# Altium PCB LH_Traffic_Light(XP)_V2.2_20171103-1500pm.PcbDoc (part 1 of 3) (continued)
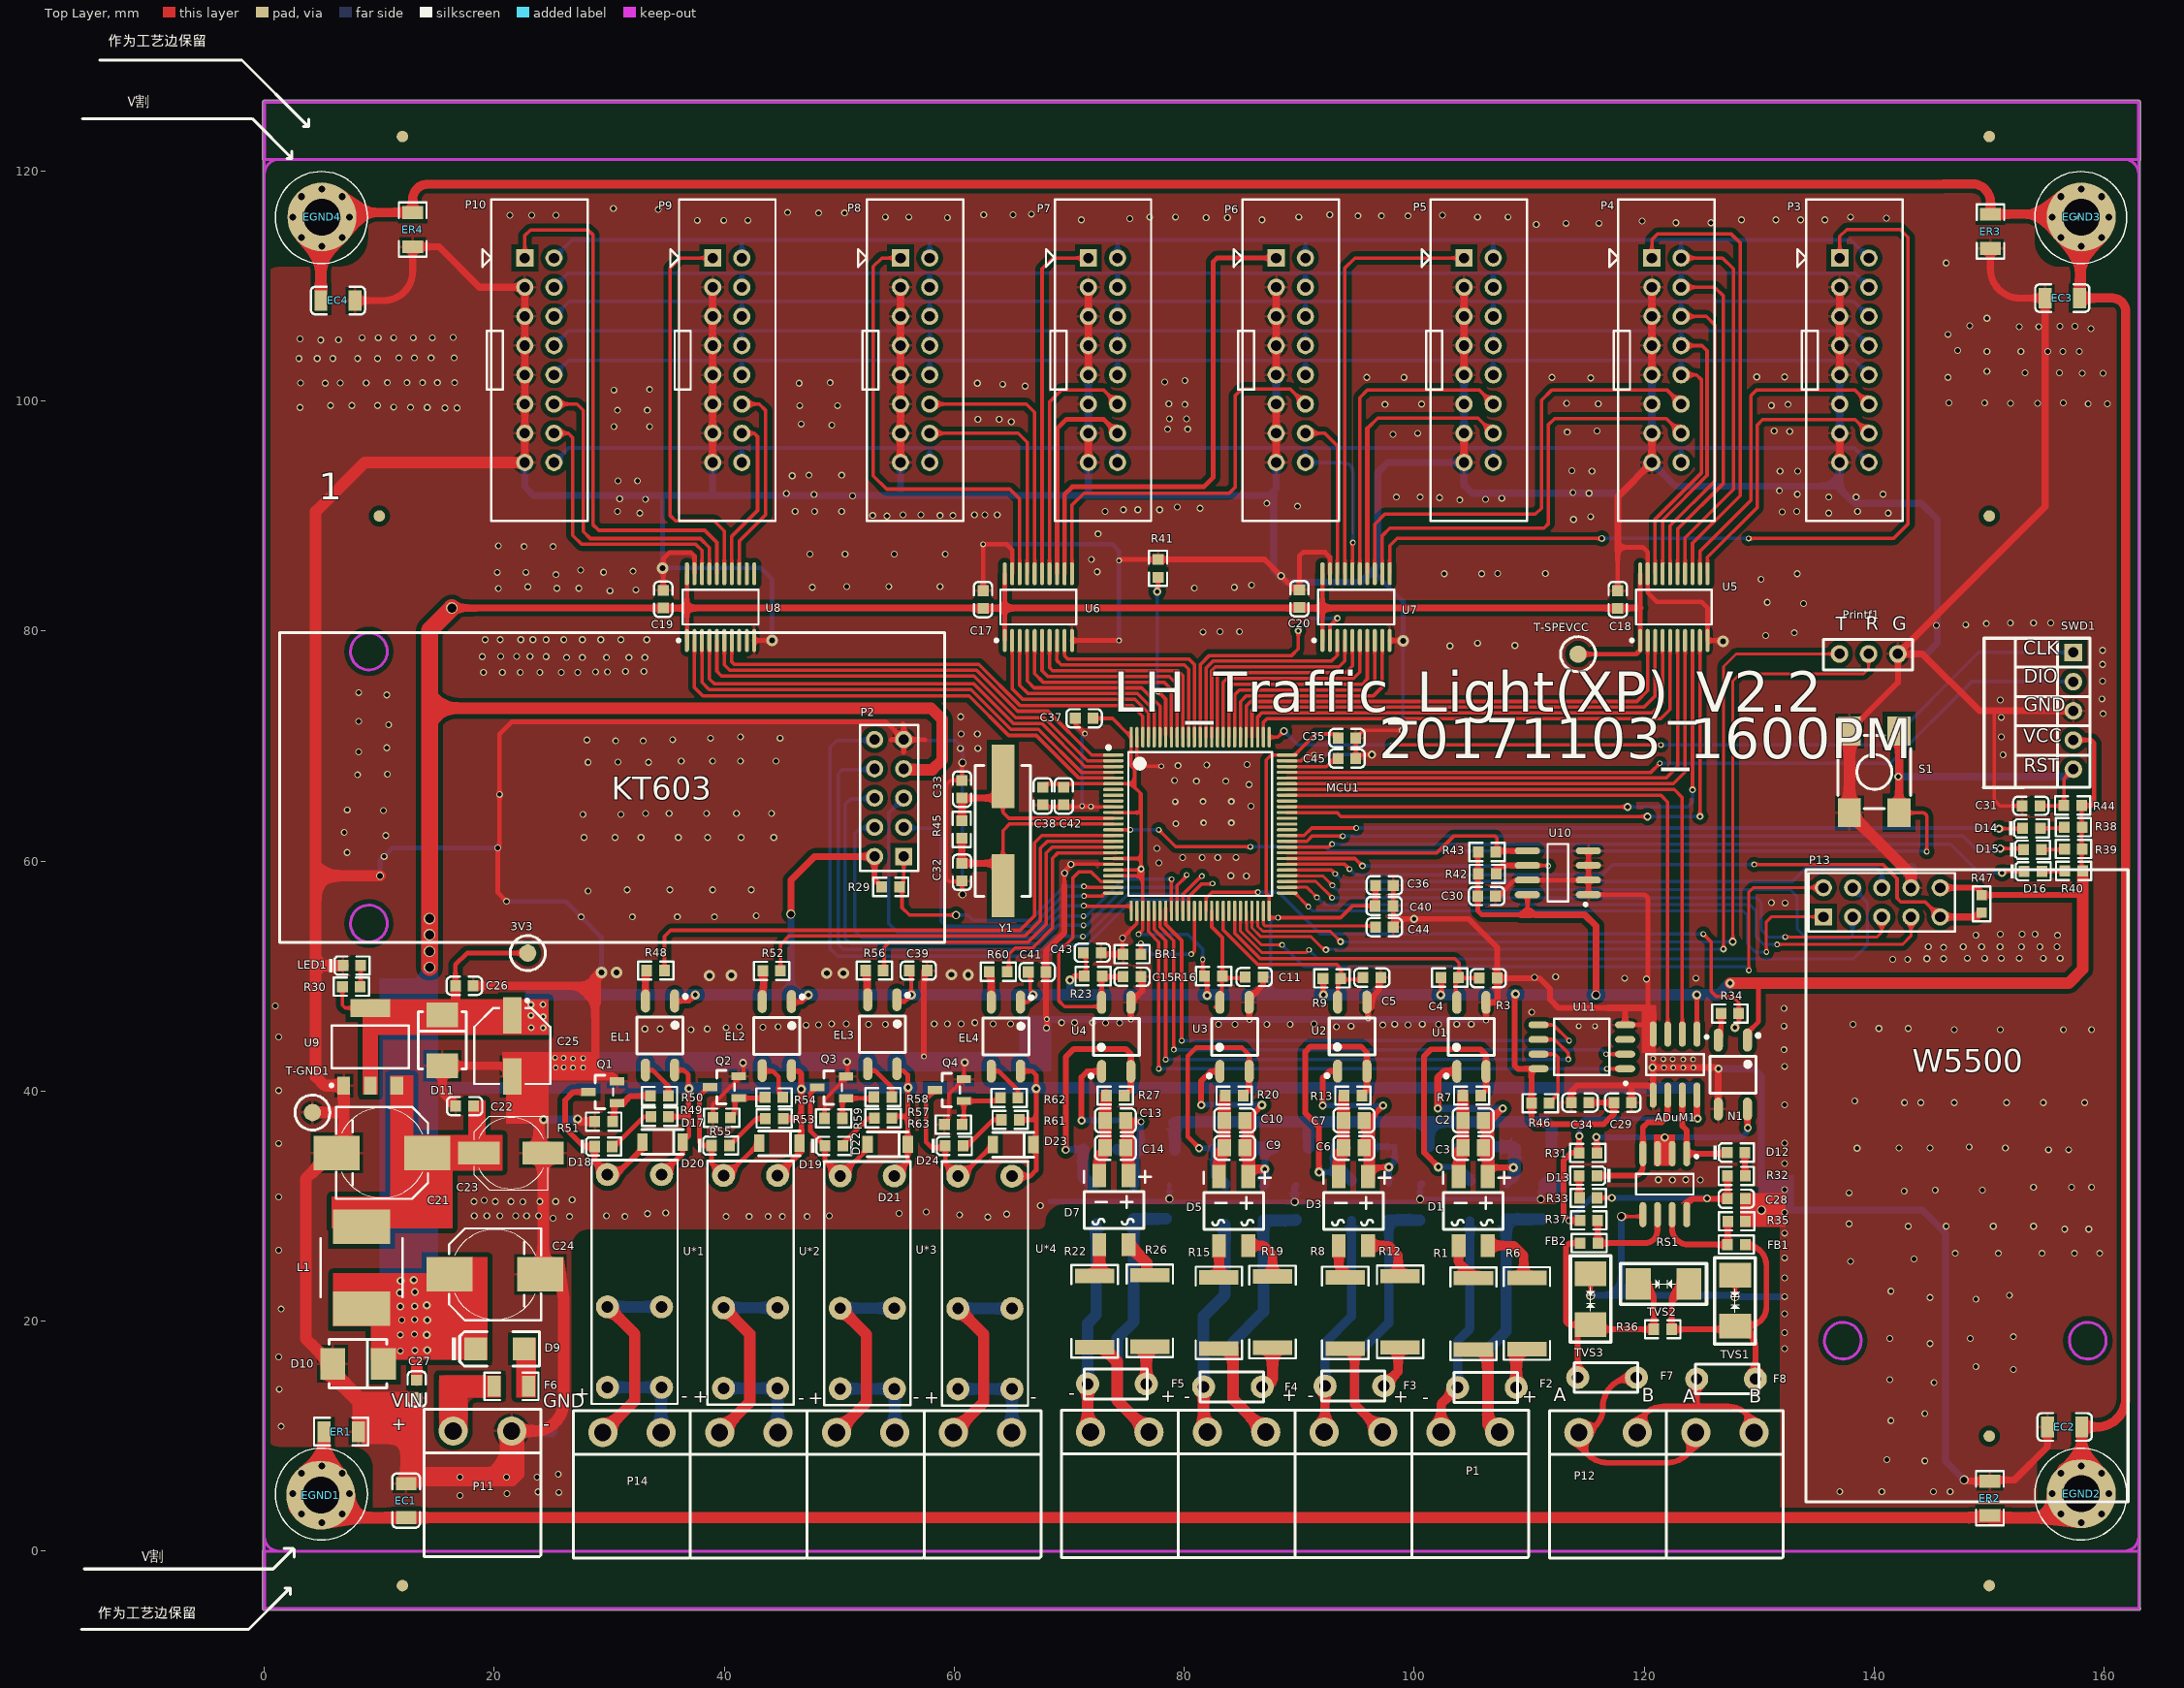
[diagram p0: Top Layer view]
## Components (designator, comment, footprint, x,y, rotation, side; value= is the part's Value field where it differs from the comment) (continued)
R3 "10K" LC-0603_R 103.07,49.87 r180 top
R4 "Res1" LC-1206_R 107.99,30.362 r270 bottom
R5 "Res1" LC-1206_R 111.114,30.337 r270 bottom
R6 "4302/1W" LC-2512_R 109.793,20.66 r90 top
R7 "1K" LC-0603_R 104.993,39.608 r180 top
R8 "4302/1W" LC-2512_R 93.995,20.71 r90 top
R9 "10K" LC-0603_R 92.826,49.793 r180 top
R10 "Res1" LC-1206_R 99.811,35.239 r180 bottom
R11 "Res1" LC-1206_R 97.627,30.275 r270 bottom
R12 "4302/1W" LC-2512_R 98.77,20.812 r90 top
R13 "1K" LC-0603_R 94.663,39.608 r180 top
R14 "Res1" LC-1206_R 100.573,30.337 r270 bottom
R15 "4302/1W" LC-2512_R 83.006,20.71 r90 top
R16 "10K" LC-0603_R 82.539,49.997 r180 top
R17 "Res1" LC-1206_R 89.321,35.061 r180 bottom
R18 "Res1" LC-1206_R 86.566,30.21 r270 bottom
R19 "4302/1W" LC-2512_R 87.67,20.787 r90 top
R20 "1K" LC-0603_R 84.334,39.608 r180 top
R21 "Res1" LC-1206_R 89.753,30.21 r270 bottom
R22 "4302/1W" LC-2512_R 72.201,20.837 r90 top
R23 "10K" LC-0603_R 72.074,49.997 r180 top
R24 "Res1" LC-1206_R 77.78,34.884 r180 bottom
R25 "Res1" LC-1206_R 75.605,30.388 r270 bottom
R26 "4302/1W" LC-2512_R 77.002,20.888 r90 top
R27 "1K" LC-0603_R 74.005,39.608 r180 top
R28 "Res1" LC-1206_R 78.704,30.388 r270 bottom
R29 "10K" LC-0603_R 54.463,57.758 r0 top
R30 "1K" LC-0603_R 7.558,49.082 r180 top
R31 "1K" LC-0603_R 115.102,34.63 r0 top
R32 "1K" LC-0603_R 128.005,32.623 r180 top
R33 "1K" LC-0603_R 115.127,30.718 r180 top
R34 "200R" LC-0603_R 127.446,46.745 r180 top
R35 "1K" LC-0603_R 128.031,28.686 r180 top
R36 "120R" LC-0603_R 121.604,19.288 r0 top
R37 "1K" LC-0603_R 115.178,28.762 r180 top
R38 "1K" LC-0603_R 157.307,62.953 r180 top
R39 "1K" LC-0603_R 157.316,61.048 r180 top
R40 "1K" LC-0603_R 157.341,59.143 r180 top
R41 "10K" LC-0603_R 77.713,85.455 r270 top
R42 "10K" LC-0603_R 106.343,58.884 r0 top
R43 "10K" LC-0603_R 106.318,60.789 r0 top
R44 "10K" LC-0603_R 157.259,64.833 r0 top
R45 "1M" LC-0603_R 60.644,62.747 r270 top
R46 "2K" LC-0603_R 110.962,38.948 r0 top
R47 "1K" R0603 149.334,57.043 r270 top
R48 "1K" LC-0603_R 34.025,50.479 r0 top
R49 "1K" LC-0603_R 34.381,37.779 r180 top
R50 "2K" LC-0603_R 34.355,39.583 r0 top
R51 "10K" LC-0603_R 29.504,37.347 r180 top
R52 "1K" LC-0603_R 44.109,50.454 r0 top
R53 "1K" LC-0603_R 44.338,37.614 r180 top
R54 "2K" LC-0603_R 44.312,39.456 r0 top
R55 "10K" LC-0603_R 39.776,37.678 r180 top
R56 "1K" LC-0603_R 53.05,50.479 r0 top
R57 "1K" LC-0603_R 53.812,37.652 r180 top
R58 "2K" LC-0603_R 53.786,39.481 r0 top
R59 "10K" LC-0603_R 49.494,37.627 r180 top
R60 "1K" LC-0603_R 63.819,50.378 r0 top
R61 "1K" LC-0603_R 64.861,37.5 r180 top
R62 "2K" LC-0603_R 64.759,39.405 r0 top
R63 "10K" LC-0603_R 59.908,37.093 r180 top
RS1 "MAX3085E" SOIC-8 121.782,31.912 r270 top
S1 "SW-PB4" SW_PB4_A1 140,67.75 r270 top
SWD1 "Header 5" F2.54-5P 157.284,78.117 r270 top
T-GND1 "CHECK" CHECK-B 4.18,38.137 r0 top
T-SPEVCC "CHECK" CHECK-B 114.238,77.987 r0 top (schematic designator T-SPEVCC1)
TVS1 "P6KE6.8CA" TVS 127.904,19.542 r90 top
TVS2 "P6KE6.8CA" TVS 119.445,23.225 r0 top
TVS3 "P6KE6.8CA" TVS 115.331,24.139 r270 top
U1 "EL357N(B)(TA)-G" LC-SOP-4_P2.54 104.967,44.713 r90 top
U2 "EL357N(B)(TA)-G" LC-SOP-4_P2.54 94.604,44.739 r90 top
U3 "EL357N(B)(TA)-G" LC-SOP-4_P2.54 84.368,44.713 r90 top
U4 "EL357N(B)(TA)-G" LC-SOP-4_P2.54 74.081,44.713 r90 top
U5 "74HC245" TSSOP-20 122.57,82.083 r90 top
U6 "74HC245" TSSOP-20 67.306,82.083 r90 top
U7 "74HC245" TSSOP-20 94.938,82.083 r90 top
U8 "74HC245" TSSOP-20 39.675,82.083 r90 top
U9 "ASM1117" SOT223 9.209,43.85 r0 top locked
U10 "AT24C256CSSHLT" SOIC-8 112.49,58.986 r180 top
U11 "GT21L16S2W" SOIC-8W 114.569,43.85 r180 top
U*1 "G5NB-1A-5V" G5NB-1A-5V 34.537,32.742 r180 top locked
U*2 "G5NB-1A-5V" G5NB-1A-5V 44.628,32.666 r180 top locked
U*3 "G5NB-1A-5V" G5NB-1A-5V 54.777,32.623 r180 top locked
U*4 "G5NB-1A-5V" G5NB-1A-5V 65.013,32.598 r180 top locked
Y1 "25MHz" LC-HC-49SMD 64.226,62.62 r270 top

## Footprints (in the part's own frame and the unit in brackets; to place one, negate y for a bottom-side part, rotate by r counter-clockwise, add the part's x,y. Pads: shape width x height; smd on the part's side, far side on the other; paste and mask are expansions set on the pad)
5.08-4P [mm]
  round 2.54 hole 1.5: 1(0,0) 2(5.08,0) 3(10.16,0) 4(15.24,0)
  silkscreen extent -2.54,-10.92 17.78,1.91
5.08-8p [mm]
  round 2.54 hole 1.5: 1(0,0) 2(5.08,0) 3(10.16,0) 4(15.24,0) 5(20.32,0) 6(25.4,0) 7(30.48,0) 8(35.56,0)
  silkscreen extent -2.54,-10.92 38.1,1.91
C-RB-SD6 [mm] "贴片"
  rect 3.6x2 smd: 1(-2.794,0) 2(2.794,0)
  silkscreen extent -3.2,-3.2 3.2,3.2
C-RB-SD8 [mm] "贴片"
  rect 4x3 smd: 1(-3.937,0) 2(3.937,0)
  silkscreen extent -4,-4 4,4, body extent -3.95,-3.99 4.02,3.99, height 8
CHECK-B [mm]
  round 1.5 smd: 1(0,0)
  silkscreen extent -1.52,-1.52 1.52,1.52
D5.08-2P [mm]
  round 2.54 hole 1.5: 1(0,0) 2(5.08,0)
  silkscreen extent -2.54,-10.92 7.62,1.91
DC3-16P-2.54mm [mm] "简易牛角座直"
  rect 1.5x1.5 hole 0.9: 1(8.89,1.27)
  round 1.5 hole 0.9: 2(8.89,-1.27) 3(6.35,1.27) 4(6.35,-1.27) 5(3.81,1.27) 6(3.81,-1.27) 7(1.27,1.27) 8(1.27,-1.27) 9(-1.27,1.27) 10(-1.27,-1.27) 11(-3.81,1.27) 12(-3.81,-1.27) 13(-6.35,1.27) 14(-6.35,-1.27) 15(-8.89,1.27) 16(-8.89,-1.27)
  silkscreen extent -13.97,-4.19 13.97,4.95
F2.54-3P [mil]
  oval 60x60.63 hole 35: 1(0,0) 2(100,0) 3(200,0)
  silkscreen extent -50,-50 255,55
F2.54-5P [mil]
  rect 60x60.63 hole 35: 1(-1,1)
  oval 60x60.63 hole 35: 2(99,1) 3(199,1) 4(299,1) 5(399,1)
  silkscreen extent -51,-53 460,58
G5NB-1A-5V [mm]
  round 2 hole 1: 1(0,0) 2(0,11.5) 2(4.7,11.5) 3(0,18.5) 3(4.7,18.5) 4(4.7,0)
  silkscreen extent -1.4,-1.27 6.1,19.94, body extent -1.4,-1.27 6.1,19.94, height 12
H-6-3.2m#1 [mm]
  round 6 hole 3.2: 0(-0.102,-0.127)
  silkscreen extent -4.04,-4.04 3.96,3.96
H-6-3.2m#2 [mm]
  round 6 hole 3.2: 0(0,0)
  silkscreen extent -4.04,-4.04 3.96,3.96
HDR5X2-2.54 [mm] "2.54双排针排座"
  rect 1.5x1.5 hole 0.9: 1(0,0)
  round 1.5 hole 0.9: 2(0,2.54) 3(2.54,0) 4(2.54,2.54) 5(5.08,0) 6(5.08,2.54) 7(7.62,0) 8(7.62,2.54) 9(10.16,0) 10(10.16,2.54)
  silkscreen extent -1.27,-1.27 11.43,3.81
HONOR_63X54 [mm]
  rect 3.15x1.6 smd: 1(-2.65,0) 2(2.65,0)
  silkscreen extent -4.07,-3.3 3.3,3.3
L-SMD-7 [mm] "贴"
  rect 3x5 smd: 1(-3.556,0) 2(3.556,0)
  silkscreen extent -2.54,-3.56 2.54,3.56, body extent -3.56,-3.56 3.56,3.56, height 4
LC-0603_C [mm]
  rect 0.93x0.98 smd: 1(-0.77,0) 2(0.77,0)
  silkscreen extent -1.53,-0.79 1.54,0.79, body extent -0.8,-0.4 0.8,0.4, height 0.3
LC-0603_L [mm]
  rect 0.93x0.98 smd: 1(-0.77,0) 2(0.77,0)
  silkscreen extent -1.54,-0.79 1.54,0.79, body extent -0.82,-0.41 0.83,0.41, height 0.46
LC-0603_LED_S1 [mm]
  rect 0.93x0.98 smd: A(0.77,0) K(-0.77,0)
  silkscreen extent -1.98,-0.79 1.54,0.79, body extent -0.8,-0.4 0.8,0.4, height 0.6
LC-0603_R [mm]
  rect 0.93x0.98 smd: 1(-0.77,0) 2(0.77,0)
  silkscreen extent -1.53,-0.79 1.54,0.79, body extent -0.85,-0.4 0.85,0.4, height 0.56
LC-0805_C [mm]
  rect 1.16x1.47 smd: 1(-0.89,0) 2(0.89,0)
  silkscreen extent -1.77,-1.04 1.77,1.04, body extent -1,-0.62 1,0.63, height 0.77
LC-1206_C [mm]
  rect 1.13x1.8 smd: 1(-1.49,0) 2(1.49,0)
  silkscreen extent -2.36,-1.2 2.35,1.2, body extent -1.6,-0.81 1.6,0.79, height 1
LC-1206_R [mm]
  rect 1.13x1.8 smd: 1(-1.49,0) 2(1.49,0)
  silkscreen extent -2.35,-1.2 2.35,1.2, body extent -1.7,-0.86 1.65,0.87, height 0.85
LC-2512_R [mm]
  rect 1.25x3.42 smd: 1(-3.1,0) 2(3.1,0)
  silkscreen extent -4.02,-2.01 4.02,2.01, body extent -3.16,-1.6 3.16,1.6, height 0.62
LC-HC-49SMD [mm]
  rect 5.5x2 smd: 1(-4.75,0) 2(4.75,0)
  silkscreen extent -5.7,-2.4 5.7,2.4, body extent -6.7,-2.46 6.7,2.44, height 4
LC-LL-34 [mm]
  rect 0.9x1.5 smd: 1(1.75,0) 2(-1.75,0)
  silkscreen extent -1.8,-1.07 1.8,1.07
LC-MBS [mm]
  rect 2x1.2 smd: 1(3,-1.27) 2(-3,1.27) 3(3,1.27) 4(-3,-1.27)
  silkscreen extent -3.4,-2.6 1.6,3.2
LC-QFP-100_14x14x05P [mm]
  oval 0.28x1.8 smd mask+0.051: 1(-6,-7.55) 2(-5.5,-7.55) 3(-5,-7.55) 4(-4.5,-7.55) 5(-4,-7.55) 6(-3.5,-7.55) 7(-3,-7.55) 8(-2.5,-7.55) 9(-2,-7.55) 10(-1.5,-7.55) 11(-1,-7.55) 12(-0.5,-7.55) 13(0,-7.55) 14(0.5,-7.55) 15(1,-7.55) 16(1.5,-7.55) 17(2,-7.55) 18(2.5,-7.55) 19(3,-7.55) 20(3.5,-7.55) 21(4,-7.55) 22(4.5,-7.55) 23(5,-7.55) 24(5.5,-7.55) 25(6,-7.55) 51(6,7.55) 52(5.5,7.55) 53(5,7.55) 54(4.5,7.55) 55(4,7.55) 56(3.5,7.55) 57(3,7.55) 58(2.5,7.55) 59(2,7.55) 60(1.5,7.55) 61(1,7.55) 62(0.5,7.55) 63(0,7.55) 64(-0.5,7.55) 65(-1,7.55) 66(-1.5,7.55) 67(-2,7.55) 68(-2.5,7.55) 69(-3,7.55) 70(-3.5,7.55) 71(-4,7.55) 72(-4.5,7.55) 73(-5,7.55) 74(-5.5,7.55) 75(-6,7.55)
  oval 1.8x0.28 smd mask+0.051: 26(7.55,-6) 27(7.55,-5.5) 28(7.55,-5) 29(7.55,-4.5) 30(7.55,-4) 31(7.55,-3.5) 32(7.55,-3) 33(7.55,-2.5) 34(7.55,-2) 35(7.55,-1.5) 36(7.55,-1) 37(7.55,-0.5) 38(7.55,0) 39(7.55,0.5) 40(7.55,1) 41(7.55,1.5) 42(7.55,2) 43(7.55,2.5) 44(7.55,3) 45(7.55,3.5) 46(7.55,4) 47(7.55,4.5) 48(7.55,5) 49(7.55,5.5) 50(7.55,6) 76(-7.55,6) 77(-7.55,5.5) 78(-7.55,5) 79(-7.55,4.5) 80(-7.55,4) 81(-7.55,3.5) 82(-7.55,3) 83(-7.55,2.5) 84(-7.55,2) 85(-7.55,1.5) 86(-7.55,1) 87(-7.55,0.5) 88(-7.55,0) 89(-7.55,-0.5) 90(-7.55,-1) 91(-7.55,-1.5) 92(-7.55,-2) 93(-7.55,-2.5) 94(-7.55,-3) 95(-7.55,-3.5) 96(-7.55,-4) 97(-7.55,-4.5) 98(-7.55,-5) 99(-7.55,-5.5) 100(-7.55,-6)
  silkscreen extent -6.8,-8.12 6.25,6.25
LC-SMA(DO-214AC)_S5 [mm]
  rect 2x2 smd: 1(2.1,0) 2(-2.1,0)
  silkscreen extent -4.2,-1.5 3.43,1.5
LC-SMB(DO-214AA)_S1 [mm]
  rect 2.159x2.743 smd: 1(2.21,0) 2(-2.21,0)
  silkscreen extent -2.5,-2.1 2.5,2.1
lc-sop-4_P2.54 [mm]
  oval 2x0.8 smd: 1(-3,1.27) 2(-3,-1.27) 3(3,-1.27) 4(3,1.27)
  silkscreen extent -3.55,-2 1.6,2.35
LC-SOP-4_P2.54 [mm]
  oval 2x0.8 smd: 1(-3,1.27) 2(-3,-1.27) 3(3,-1.27) 4(3,1.27)
  silkscreen extent -3.55,-2 1.6,2.35
LC-SOT-23(SOT-23-3) [mm]
  rect 1.25x0.7 smd: 1(1.25,-0.95) 2(1.25,0.95) 3(-1.25,0)
  silkscreen extent -0.65,-1.46 0.9,1.46, body extent -1.5,-1.5 1.5,1.5, height 1.3
ntc250v [mm]
  round 2 hole 1: 1(0,0) 2(5.1,0)
  silkscreen extent -0.3,-1.3 5.2,1.3
R0603 [mil]
  rect 36x36 smd: 1(0,0) 2(60,0)
  silkscreen extent -30,-30 90,30
SOIC-8 [mm]
  oval 2.2x0.6 smd: 1(-2.654,1.905) 2(-2.654,0.635) 3(-2.654,-0.635) 4(-2.654,-1.905) 5(2.654,-1.905) 6(2.654,-0.635) 7(2.654,0.635) 8(2.654,1.905)
  silkscreen extent -2.52,-2.5 0.9,2.88, body extent -3,-2.45 3,2.45, height 1.7
SOIC-8W [mm] "SPI_F"
  oval 1.75x0.6 smd: 1(-3.768,1.905) 2(-3.768,0.635) 3(-3.768,-0.635) 4(-3.768,-1.905) 5(3.768,-1.905) 6(3.768,-0.635) 7(3.768,0.635) 8(3.768,1.905)
  silkscreen extent -3.93,-2.45 2.41,3.3
SOT223 [mm]
  rect 1.1x1.55 smd: 1(-2.3,-3.375) 2(0,-3.375) 3(2.3,-3.375)
  rect 3.45x1.55 smd: 4(0,3.375)
  silkscreen extent -3.5,-3.48 3.35,1.85, body extent -3.25,-3.48 3.25,3.48, height 1.7
SW_PB4_A1 [mm]
  rect 2.5x2 smd: 1(-3.556,2.159) 2(-3.556,-2.159) 3(3.556,-2.159) 4(3.556,2.159)
  silkscreen extent -3.17,-3.18 3.17,3.18, body extent -3.18,-3.18 3.18,3.18, height 6
TSSOP-20 [mm]
  oval 2x0.35 smd: 1(-2.9,2.925) 2(-2.9,2.275) 3(-2.9,1.625) 4(-2.9,0.975) 5(-2.9,0.325) 6(-2.9,-0.325) 7(-2.9,-0.975) 8(-2.9,-1.625) 9(-2.9,-2.275) 10(-2.9,-2.925) 11(2.9,-2.925) 12(2.9,-2.275) 13(2.9,-1.625) 14(2.9,-0.975) 15(2.9,-0.325) 16(2.9,0.325) 17(2.9,0.975) 18(2.9,1.625) 19(2.9,2.275) 20(2.9,2.925)
  silkscreen extent -3.02,-3.3 1.5,3.77
TVS [mil]
  rect 85x107.99 smd: 1(0.98,0) 2(175,0)
  silkscreen extent -60,-69 235,70

## Part data
3V3 T-GND1 T-SPEVCC: library part CHE, "测试点"
BR1 FB1 FB2 R1 R3 R6 R7 R8 R9 R12 R13 R15 R16 R19 R20 R22 R23 R26 R27 R29 R38 R39 R40 R41 R42 R43 R45 R47 R48 R49 R50 R51 R52 R53 R54 R55 R56 R57 R58 R59 R60 R61 R62 R63: library part Res2, "Resistor"
C1 C2 C3 C4 C5 C6 C7 C8 C9 C10 C11 C12 C13 C14 C15 C16 C17 C18 C19 C20 C22 C26 C27 EC1 EC2 EC3 EC4: library part Cap, "Capacitor"
C21 C23: library part "Cap Pol1", "Polarized Capacitor (Radial)"
C24 C25: library part "Cap Pol3", "Polarized Capacitor (Surface Mount)"
C28 C29: library part CAP
C30 C31 C32 C33 C35 C36 C37 C38 C39 C40 C41 C42 C43 C44 C45: library part CAP, "Capacitor"
C34: library part C
D1 D3 D5 D7: library part "MBS MB1", "整流桥"
D2 D4 D6 D8 D9: library part Diode, "Default Diode"
D10 D11: library part ZENER3, "Zener Diode"
D12 D13: library part "0603 绿灯", "发光二极管"
D14 D15 D16: library part "0603 蓝灯", "发光二极管"
D17 D19 D21 D23: library part DIODE, "Diode"
D18 D20 D22 D24 LED1: library part 0, "发光二极管"
EL1 EL2 EL3 EL4 N1: library part ST188, "反射式光电传感器"
ER1 ER2 ER3 ER4 R30 R31 R32 R33 R34 R46: library part RES2
F1 F7 F8: library part Fus, "保险丝"
F2 F3 F4 F5: library part F, "保险丝"
F6: library part "Fuse 1", "Fuse"
L1: library part Inducto, "电感"
MCU1: library part STM32F103VET6
P1 P14: library part Header, "接插件"
P2 P12 P13: "接插件"
P3 P4 P5 P6 P7 P8 P9 P10: library part "Header 8", "接插件"
P11: library part Head, "接插件"
Printf1: library part "Header 3H", "Header, 3-Pin, Right Angle"
R2 R4 R5 R10 R11 R14 R17 R18 R21 R24 R25 R28: library part R, "贴片电阻"
R35 R36 R37: library part RES
R44: library part res1, "Resistor"
S1: "微动开关"
SWD1: "Header, 5-Pin"
TVS1 TVS2 TVS3: library part TVS, "TVS"
U1 U2 U3 U4: library part EL357N(B)(TA, "贴片光耦"
U9: library part ASM1, "3.3V稳压芯片"
U10: library part AT2, "EEROM存储器"
U11: library part GT21L16S
Y1: library part CRYSTAL, "Crystal"

## Free pads (board coordinates)
  round 1 smd: 2(10,90) 2(12,-3) 2(12,123) 2(150,-3) 2(150,10) 2(150,90) 2(150,123)
  round 1 smd far side: 2(10,90) 2(12,-3) 2(12,123) 2(150,-3) 2(150,10) 2(150,90) 2(150,123)

## Via types
v1: diameter 0.6, hole 0.4, Top Layer to Bottom Layer, 590 vias
v2: diameter 0.5, hole 0.3, Top Layer to Bottom Layer, 84 vias
v3: diameter 0.7, hole 0.4, Top Layer to Bottom Layer, 42 vias
v4: diameter 0.8, hole 0.6, Top Layer to Bottom Layer, 39 vias
v5: diameter 0.8, hole 0.4, Top Layer to Bottom Layer, 24 vias
v6: diameter 0.6, hole 0.3, Top Layer to Bottom Layer, 22 vias
v7: diameter 1, hole 0.5, Top Layer to Bottom Layer, 12 vias
v8: diameter 0.7, hole 0.5, Top Layer to Bottom Layer, 8 vias
v9: diameter 1, hole 0.8, Top Layer to Bottom Layer, 5 vias

## Nets (pads, with @x,y where several pads share a name; then routed paths per layer and width w, separated by ;. In a path a pad name is that pad's centre, name@x,y a point inside that pad or via, vN(x,y) a via of type N, cw(c..) or ccw(c..) an arc to the next point about the centre after c; other vN are vias at no path point)
3V3: 3V3.1 ADuM1.1 C25.1 C26.2 C29.2 C30.1 C34.2 C35.1 C36.1 C37.1 C38.1 C39.1 C40.1 C41.1 C42.1 C43.1 D11.2 EL1.1 EL2.1 EL3.1 EL4.1 MCU1.6 MCU1.11 MCU1.19 MCU1.21 MCU1.22 MCU1.28 MCU1.50 MCU1.75 MCU1.100 N1.1 P2.2 P13.10 R3.2 R9.2 R16.2 R23.2 R29.1 R30.2 R38.1 R39.1 R40.1 R42.1 R43.1 R44.2 R46.1 R47.1 SWD1.4 U9.2 U9.4 U10.8 U11.8 | length 383.5
  Top Layer w0.3: R30.2@6.788,49.082 6.788,47.465 7.028,47.225 U9.4@9.209,47.225 ; v5(56.25,48.368) C39.1@56.25,50.378 ; EL4.1@65.75,47.739 66.416,47.739 66.83,48.153 v5(66.83,48.372) 66.83,48.584 66.613,48.8 66.613,49.922 C41.1@66.412,50.124 ; C38.1@67.68,66.438 67.962,66.72 72.057,66.72 ; C42.1@69.727,66.72 MCU1.6@73.83,66.72 75.361,66.72 ; R23.2@71.431,50.022 C43.1@71.431,51.546 ; C37.1@72.087,72.399 73.751,72.399 75.021,71.13 ; MCU1.22@73.83,58.72 75.859,58.72 ; MCU1.21@73.83,59.22 v6@76.142,59.22 ; MCU1.19@73.83,60.22 76.24,60.22 ; MCU1.11@73.83,64.22 76.107,64.22 cw(c76.107,64.17) 76.157,64.17 76.157,65.924 ; MCU1.100@75.304,71.13 75.021,71.13 ; v2(76.016,53.635) 76.38,53.999 MCU1.28@76.38,55.67 76.38,58.344 ; R16.2@81.6,50.166 v2(81.6,51.45) ; C35.1@93.377,71.053 91.429,71.053 89.596,69.22 MCU1.75@88.93,69.22 87.561,69.22 87.137,68.795 87.137,57.22 87.38,56.976 MCU1.50@87.38,55.67 87.38,55.077 v2(88.15,55.077) 93.588,55.077 94.604,56.093 C40.1@96.603,56.093 ; R44.2@158.029,64.833 158.029,59.226 R40.1@158.111,59.143 ; 75.021,71.13 MCU1.100@75.38,70.77 75.38,68.293 75.681,67.992 75.681,67.04 ; 75.361,66.72 75.681,67.04 ; 75.361,66.72 75.64,66.441 ; 75.64,66.441 75.681,66.483 75.681,67.04 ; 75.64,66.441 76.157,65.924 ; 75.859,58.72 75.93,58.649 76.076,58.649 ; 75.859,58.72 76.016,58.72 76.076,58.779 ; 76.076,58.649 76.38,58.344 ; 76.076,58.649 76.38,58.649 ; 76.076,58.649 76.076,58.779 ; 76.076,58.779 76.076,59.154 v6@76.142,59.22 ; 76.076,58.779 76.229,58.932 v6@76.229,59.273 ; v6@76.142,59.22 ccw(c76.142,59.318) v6@76.229,59.273 ; v6@76.142,59.22 v6(76.24,59.318) ; 76.157,65.924 76.24,65.841 76.24,60.22 ; v6@76.229,59.273 ccw(c76.142,59.318) v6(76.24,59.318) ; v6@76.229,59.273 76.38,59.121 76.38,58.649 ; v6(76.24,59.318) 76.24,60.22 ; 76.38,58.344 76.38,58.649
  Top Layer w0.4: C26.2@16.618,49.158 16.618,50.996 17.622,52 3V3.1@22.9,52 ; EL1.1@35.68,47.832 36.944,47.832 v5(37.48,48.368) ; EL2.1@45.608,47.739 46.703,47.739 v5(47.309,48.346) ; EL3.1@54.802,47.79 55.671,47.79 v5(56.25,48.368) ; v5(70.05,49.65) 70.422,50.022 R23.2@71.431,50.022 ; v5@81.972,48.319 R16.2@81.972,49.692 ; v5@92.086,48.372 R9.2@92.086,49.692 ; C40.1@96.628,56.118 C36.1@96.628,57.896 ; v5(102.3,48.368) 102.369,48.437 R3.2@102.369,49.641 ; R43.1@105.548,60.789 105.522,60.764 C30.1@105.522,56.962 105.522,55.675 105.871,55.327 109.275,55.327 109.699,55.751 ; U10.8@109.836,57.081 109.836,55.888 109.699,55.751 ; ADuM1.1@124.576,44.954 v5@124.576,48.366 ; N1.1@128.97,44.437 128.97,45.069 129.936,46.034 129.936,49.273 130.05,49.387 ; SWD1.4@157.31,70.523 158.877,70.523 159.117,70.283 159.117,65.067 158.883,64.833 R44.2@158.029,64.833 ; 109.699,55.751 110.123,55.327 110.5,55.327 110.076,55.751 109.699,55.751
  Top Layer w0.5: P2.2@53.06,60.325 53.06,58.392 R29.1@53.693,57.758 ; v5@108.727,48.422 108.727,42.224 109.006,41.945 U11.8@110.378,41.945 ; U11.8@110.801,41.945 U11.8@110.378,41.945 ; C34.2@115.186,38.998 C29.2@117.355,38.998 117.355,38 116.474,37.119 110.632,37.119 110.192,37.559 R46.1@110.192,38.948 110.192,41.759 U11.8@110.378,41.945 ; P13.10@145.734,57.683 148.9,57.683 149.533,57.05 158.061,57.05 158.111,57
  Top Layer w0.6: v4(45.792,55.388) 45.792,58.35 47.842,60.4 P2.2@53.06,60.4 ; 109.275,55.327 110.123,55.327 ; 110.5,55.327 114.823,55.327 115.8,54.35 v4(115.8,48.368)
  Top Layer w0.8: D11.2@15.469,46.619 16.618,47.768 C26.2@16.618,49.158
  Top Layer w1: v5(127.472,49.387) 130.05,49.387 156.915,49.387 158.111,50.584 158.111,57 R40.1@158.111,59.143
  Bottom Layer w0.3: v2(76.016,53.635) 80.309,53.635 81.6,52.344 v2(81.6,51.45) ; v6(76.24,59.318) cw(c76.24,59.209) v6@76.35,59.209 ; 87.5,48.372 87.5,54.75 87.827,55.077 v2(88.15,55.077)
  Bottom Layer w0.4: 69.865,48.419 70.119,48.673 70.02,48.772 ; v5@81.93,48.445 81.98,48.394 v5(81.98,48.319)
  Bottom Layer w0.6: 45.057,48.368 45.057,48.541 45.792,49.276 ; v4(45.792,55.388) 45.792,49.276 ; v5@47.237,48.418 v5@47.287,48.368 ; v5(47.309,48.346) v5@47.287,48.368 ; v5@47.487,48.368 47.309,48.368 v5@47.287,48.368 ; 70.02,48.772 70.05,48.803 v5(70.05,49.65) ; 45.792,49.276 45.792,48.418 46.577,48.418 ; 45.792,49.276 46.65,48.418 ; 46.577,48.418 46.65,48.418 ; 46.577,48.418 46.527,48.368 46.7,48.368 46.65,48.418
  Bottom Layer w1: 23.205,48.368 v5(37.48,48.368) 45.057,48.368 46.527,48.368 ; 46.7,48.368 v5@47.287,48.368 ; v5@47.309,48.368 v5(56.25,48.368) 56.254,48.372 v5(66.83,48.372) 87.5,48.372 92.086,48.372 v5(92.09,48.368) v5(102.3,48.368) v4(115.8,48.368) v5(124.574,48.368) ; v5@124.576,48.371 v5(124.574,48.368) ; v5(127.472,49.387) 126.453,48.368 v5(124.574,48.368)
  other v5: 108.803,48.437
  other v6: 24.246,45.501 23.204,45.526 24.246,46.466 23.179,46.576 23.182,47.507 24.221,47.533
/INT: MCU1.46 P13.2 | length 60.2
  Top Layer w0.254: MCU1.46@85.38,55.67 85.413,55.637 85.413,54.01 86.718,52.705 v2(88.508,52.705) ; v2(129.1,50.5) 129.1,57.306 129.484,57.69 P13.2@135.568,57.69
  Bottom Layer w0.254: v2(88.508,52.705) 90.378,50.835 128.765,50.835 v2(129.1,50.5)
/RESET: MCU1.45 P13.4 | length 63.5
  Top Layer w0.254: MCU1.45@84.88,55.67 84.88,53.901 86.737,52.045 90.642,52.045 v2@90.845,52.248
  Bottom Layer w0.254: v2(90.845,52.273) 91.606,51.513 138.213,51.513 139.4,52.7 139.4,56.398 P13.4@138.114,57.683
/SPI_SCS: MCU1.51 P13.1 | length 53
  Top Layer w0.254: MCU1.51@88.93,57.22 89.607,57.22 v2(90.794,56.032) ; v2(130.621,52.1) 130.621,54.721 131.05,55.15 134.24,55.15 135.568,55.15 P13.1@135.574,55.143
  Bottom Layer w0.254: v2(90.794,56.032) 91.15,55.677 128.588,55.677 128.95,55.314 128.95,52.8 129.65,52.1 v2(130.621,52.1)
A/D_IN1: P1.8 R1.1 R4.2 R5.2 | length 32.2
  Top Layer w1: R1.1@105.221,17.56 106.01,17.56 106.4,17.17 106.4,11.023 107.076,10.347 P1.8@107.406,10.347 P1.8@107.914,10.855
  Bottom Layer w1: P1.8@107.406,10.347 106.4,11.353 106.4,17.545 107.99,19.136 R4.2@107.99,28.872 ; R4.2@108.015,28.847 R5.2@111.114,28.847
A/D_IN2: D2.2 F2.1 P1.7 | length 19.4
  Top Layer w0.8: P1.7@102.326,10.347 102.326,12.794 F2.1@103.765,14.233
  Bottom Layer w0.8: F2.1@103.765,14.233 103.765,18.264 104.84,19.339 D2.2@104.84,28.714
A/D_IN3: P1.6 R8.1 R11.2 R14.2 | length 32.5
  Top Layer w0.8: R8.1@94.263,17.737 94.986,17.737 94.807,17.558 94.807,12.786 P1.6@97.246,10.347
  Bottom Layer w0.8: P1.6@97.246,10.347 94.858,12.735 94.858,16.926 97.773,19.84 R11.2@97.773,28.771
  Bottom Layer w1: R11.2@97.754,28.788 R14.2@100.463,28.788
A/D_IN4: D4.2 F3.1 P1.5 | length 19.4
  Top Layer w0.8: P1.5@92.166,10.347 92.242,10.423 F3.1@92.242,14.36
  Bottom Layer w0.8: F3.1@92.242,14.36 92.242,18.12 94.528,20.406 D4.2@94.528,28.739
A/D_IN5: P1.4 R15.1 R18.2 R21.2 | length 33.5
  Top Layer w1: R15.1@83.403,17.636 84.241,17.636 84.241,13.192 P1.4@87.086,10.347 P1.4@87.568,10.83
  Bottom Layer w1: P1.4@87.086,10.347 84.241,13.192 84.241,18.17 86.883,20.812 86.883,28.771 89.677,28.771 R21.2@89.727,28.822
A/D_IN6: D6.2 F4.1 P1.3 | length 19
  Top Layer w1: F4.1@81.676,14.284 81.676,10.677 P1.3@82.006,10.347
  Bottom Layer w1: F4.1@81.676,14.284 81.676,20.431 83.53,22.285 D6.2@83.53,28.409
A/D_IN7: P1.2 R22.1 R25.2 R28.2 | length 32.7
  Top Layer w1: R22.1@72.405,17.737 72.888,17.737 74.157,16.469 74.157,13.116 P1.2@76.926,10.347
  Bottom Layer w1: P1.2@76.926,10.347 74.157,13.116 74.157,18.518 75.605,19.965 R25.2@75.605,28.898 R28.2@78.435,28.898
A/D_IN8: D8.2 F5.1 P1.1 | length 18.5
  Top Layer w1: F5.1@71.592,14.538 71.592,10.601 P1.1@71.846,10.347
  Bottom Layer w1: F5.1@71.592,14.538 71.592,19.796 72.328,20.533 D8.2@72.328,28.46
AT_SCL: MCU1.57 R42.2 U10.6 | length 28
  Top Layer w0.3: MCU1.57@88.93,60.22 94.846,60.22 v6(95.493,59.572) ; U10.6@109.863,59.594 U10.6@109.836,59.621 111.608,59.621 v2(111.656,59.572)
  Top Layer w0.5: R42.2@107.113,58.884 cw(c107.85,58.884) 107.85,59.621 U10.6@109.836,59.621
  Bottom Layer w0.3: v6(95.493,59.572) v2(111.656,59.572)
AT_SDA: MCU1.58 R43.2 U10.5 | length 22.8
  Top Layer w0.3: MCU1.58@88.93,60.72 101.97,60.72 103.413,62.163 107.037,62.163 107.189,62.011 R43.2@107.189,60.891
  Top Layer w0.5: R43.2@107.088,60.789 cw(c107.189,60.789) 107.189,60.891 U10.5@109.836,60.891
BOOT0: MCU1.94 R41.2 | length 13.9
  Top Layer w0.3: v6(77.713,74.762) 78.38,74.094 MCU1.94@78.38,70.987 ; v3@77.713,83.499 R41.2@77.713,84.685
  Bottom Layer w0.3: v3(77.637,83.423) 77.637,74.838 v6(77.713,74.762)
BOOT1: BR1.2 MCU1.37 | length 9.6
  Top Layer w0.3: BR1.2@76.223,51.902 v2(76.223,52.844) ; v2(80.6,51.904) 80.88,52.184 MCU1.37@80.88,55.67
  Bottom Layer w0.3: v2(76.223,52.844) 77.163,51.904 v2(80.6,51.904)
CON_IO1: MCU1.33 P2.4 | length 43
  Top Layer w0.3: MCU1.33@78.88,55.67 v2@78.88,58.419
  Bottom Layer w0.3: P2.4@53.06,62.865 51.815,62.865 51.35,62.4 51.35,53.936 51.963,53.323 67.184,53.323 69.081,55.22 v2(71.236,55.22) 71.484,55.22 74.693,58.429 v2(78.89,58.429)
CON_IO2: MCU1.34 P2.6 | length 50.3
  Top Layer w0.3: MCU1.34@79.38,55.67 79.38,57.877 80.202,58.699 v2(80.202,58.801)
  Bottom Layer w0.3: P2.6@53.06,65.405 50.985,65.405 50.5,64.92 50.5,53.3 50.98,52.82 67.388,52.82 68.975,54.407 v2(71.236,54.407) 71.507,54.407 74.809,57.709 79.212,57.709 80.202,58.699 v2(80.202,58.801)
CON_IO3: MCU1.35 P2.8 | length 56.3
  Top Layer w0.3: MCU1.35@79.88,55.67 79.88,57.098 81.482,58.699 v2(81.523,58.699)
  Bottom Layer w0.3: P2.8@53.06,67.945 50.263,67.945 49.9,67.582 49.9,52.773 50.353,52.32 67.595,52.32 68.727,53.451 v2(71.185,53.451) 71.451,53.451 75.125,57.125 79.907,57.125 81.482,58.699 v2(81.523,58.699)
CON_IO4: MCU1.36 P2.10 | length 61.6
  Top Layer w0.3: MCU1.36@80.38,55.67 80.38,56.891 81.492,58.003 82.497,58.003 v2(82.45,58.05)
  Bottom Layer w0.3: P2.10@53.06,70.485 49.787,70.485 49.2,69.898 49.2,52.374 49.86,51.714 68.188,51.714 69.165,52.692 71.522,52.692 75.455,56.625 80.114,56.625 81.492,58.003 82.403,58.003 v2(82.45,58.05)
EGND: EC1.1 EC2.1 EC3.1 EC4.1 EGND1.0 EGND2.0 EGND3.0 EGND4.0 ER1.1 ER2.1 ER3.1 ER4.1 | length 544.4
  Top Layer w0.8: EGND1.0@3,5.54 cw(c2.46,5.54) v4(2.46,5) ; v4(3.222,6.778) EGND1.0@3.222,6.65 ; EGND4.0@5,116 cw(c5.39,116) 5.39,116.39 EGND4.0@7.413,116.39 ; EGND1.0@5.187,7.226 ccw(c6.778,7.226) EGND1.0@5.501,6.277 ; v4(156.222,114.222) EGND3.0@156.222,115.238 ; v4(158,7.413) ccw(c158,7.453) 158.04,7.453 EC2.1@158.04,10.8 159.364,10.8 ccw(c159.364,13.286) 161.85,13.286 161.85,107.796 ccw(c160.696,107.796) 160.696,108.95 EC3.1@158,108.95 ; v4(159.778,3.222) 159.778,4.365 cw(c160.413,4.365) v4(160.413,5) ; v4(159.778,6.778) EGND2.0@159.778,5.635 ; v4(160.413,116) EGND3.0@159.778,115.365 ; v4(2.46,5) ccw(c2.587,5) 2.587,4.873 cw(c2.587,4.238) 3.222,4.238 4.263,4.238 ccw(c4.263,4.873) EGND1.0@4.898,4.873 ; v4(2.46,5) ccw(c2.46,5.762) 3.222,5.762 EGND1.0@3.222,6.299 ; v4(2.46,5) 2.46,3.984 ccw(c3.222,3.984) v4(3.222,3.222) 4.238,3.222 cw(c4.238,2.46) v4(5,2.46) cw(c5.444,2.46) 5.444,2.904 5.444,3.031 cw(c7.413,3.031) EGND1.0@5.456,3.249 ; v4(2.46,116) ccw(c2.46,116.762) EGND4.0@3.222,116.762 ; v4(2.46,116) EGND4.0@3.222,116.762 ; v4(2.46,116) 3.222,115.238 v4(3.222,114.222) 4.148,114.222 4.91,113.46 5.672,114.222 v4(6.778,114.222) 6.778,115.755 EGND4.0@7.413,116.39 ; EGND1.0@3.222,6.299 cw(c4.898,6.571) 3.2,6.571 3.2,6.628 cw(c3.222,6.628) EGND1.0@3.222,6.65 ; EGND1.0@3.222,6.299 ccw(c4.898,6.571) EGND1.0@4.898,4.873 ; EGND1.0@3.222,6.299 EGND1.0@3.222,6.65 ; EGND4.0@3.222,116.762 v4(3.222,117.778) EGND4.0@4.365,117.778 ; EGND4.0@4.365,117.778 ccw(c4.365,118.413) v4(5,118.413) ; EGND4.0@4.365,117.778 v4(5,118.413) ; EGND1.0@4.898,4.873 cw(c4.898,4.771) 5,4.771 5,4.249 5,4.106 ccw(c6.001,4.106) EGND1.0@5.458,3.265 ; EGND1.0@4.898,4.873 cw(c5.025,4.873) 5.025,5 cw(c4.898,5) EGND1.0@4.898,4.873 ; EGND1.0@4.898,4.873 4.898,4.208 ccw(c6.001,4.208) EGND1.0@5.456,3.249 ; EGND1.0@4.898,4.873 EGND1.0@4.898,4.898 ; EGND1.0@4.898,4.898 cw(c6.778,4.898) EGND1.0@5.501,6.277 ; EGND1.0@4.898,4.898 cw(c6.778,4.898) EGND1.0@5.501,6.277 ; v4(5,118.413) 5.635,117.778 v4(6.778,117.778) 6.778,117.025 EGND4.0@7.413,116.39 ; EGND1.0@5.456,3.249 ccw(c6.001,4.208) 6.001,3.105 cw(c6.001,4.106) EGND1.0@5.458,3.265 ; EGND1.0@5.456,3.249 cw(c7.413,3.031) EGND1.0@5.458,3.265 ; EGND1.0@5.458,3.265 cw(c7.413,3.031) 5.492,3.464 cw(c7.413,3.031) v4(7.413,5) cw(c7.413,5.635) 6.778,5.635 cw(c6.778,7.226) EGND1.0@5.501,6.277 ; EGND1.0@5.501,6.277 cw(c6.778,4.898) v4(6.778,6.778) ccw(c6.778,4.898) EGND1.0@5.501,6.277 ; EGND4.0@7.413,116.39 ER4.1@12.9,116.39 12.9,117.542 cw(c14.208,117.542) 14.208,118.85 18.75,118.85 146.029,118.871 148.533,118.871 cw(c148.533,117.304) 150.1,117.304 ER3.1@150.1,116.24 155.22,116.24 cw(c155.22,116) v4(155.46,116) ; v4(155.46,116) 156.222,116.762 v4(156.222,117.778) EGND3.0@157.365,117.778 ; v4(155.46,116) EGND3.0@156.222,115.238 ; EGND3.0@156.222,115.238 156.4,115.06 156.4,114.005 157.455,114.005 v4(158,113.46) ; EGND3.0@157.365,117.778 155.587,116 158,113.587 EGND3.0@159.778,115.365 ; EGND3.0@157.365,117.778 v4(158,118.413) EGND3.0@158.635,117.778 ; EGND3.0@157.365,117.778 EGND3.0@157.648,117.778 ; EGND3.0@157.648,117.778 155.87,116 158,113.87 EGND3.0@159.778,115.648 ; EGND3.0@157.648,117.778 158,118.13 158.352,117.778 EGND3.0@158.635,117.778 ; EC3.1@158,108.95 EC3.1@157.84,108.95 157.84,113.3 cw(c158,113.3) v4(158,113.46) ; EC3.1@158,108.95 v4(158,113.46) ; v4(158,113.46) 158.762,114.222 v4(159.778,114.222) EGND3.0@159.778,115.365 ; EGND3.0@158.635,117.778 v4(159.778,117.778) EGND3.0@159.778,116.635 ; EGND3.0@158.635,117.778 EGND3.0@159.778,116.635 ; EGND2.0@159.778,5.635 ccw(c160.413,5.635) v4(160.413,5) ; EGND2.0@159.778,5.635 ccw(c160.413,5.635) v4(160.413,5) ; EGND2.0@159.778,5.635 cw(c159.778,7.373) 158.04,7.373 156.817,7.373 ccw(c156.817,6.778) v4(156.222,6.778) 156.222,5.762 cw(c155.46,5.762) v4(155.46,5) cw(c155.46,4.35) 156.11,4.35 cw(c156.11,2.46) v4(158,2.46) cw(c158.762,2.46) 158.762,3.222 158.762,3.349 cw(c160.413,3.349) v4(160.413,5) ; EGND3.0@159.778,115.365 EGND3.0@159.778,115.648 ; EGND3.0@159.778,115.648 160.272,116.141 EGND3.0@159.778,116.635
  Top Layer w1: EGND1.0@4.898,4.873 ccw(c6.867,4.873) 5,4.249 ccw(c6.867,4.873) 5.492,3.464 ccw(c6.867,4.873) 6.001,3.105 ccw(c6.867,4.873) 6.867,2.904 EC1.1@12.324,2.904 ; EC4.1@4.91,108.737 4.91,113.46 4.91,115.91 cw(c5,115.91) EGND4.0@5,116 ; v4(5,7.413) ccw(c5,7.6) 5.187,7.6 ER1.1@5.187,10.389 ; EC1.1@11.937,2.915 ER2.1@150.509,2.915 ; ER2.1@150.1,2.91 EGND2.0@156.16,2.91 ; EGND2.0@156.11,3.11 ccw(c156.11,3.222) v4(156.222,3.222)
  other v4: 6.778,3.222 5,113.46 7.413,116